# Altium PCB 191217 PCB.PcbDoc
Units mm, origin at the board's own origin, x right, y up, seen from the top; angles counter-clockwise.
Board outline 140.3 x 60.25 mm, 2 copper layers (Top Layer, Bottom Layer); 243 components, 168 nets, 727 pads, 0 vias.
Unrouted connection lines stored in the file: 477.
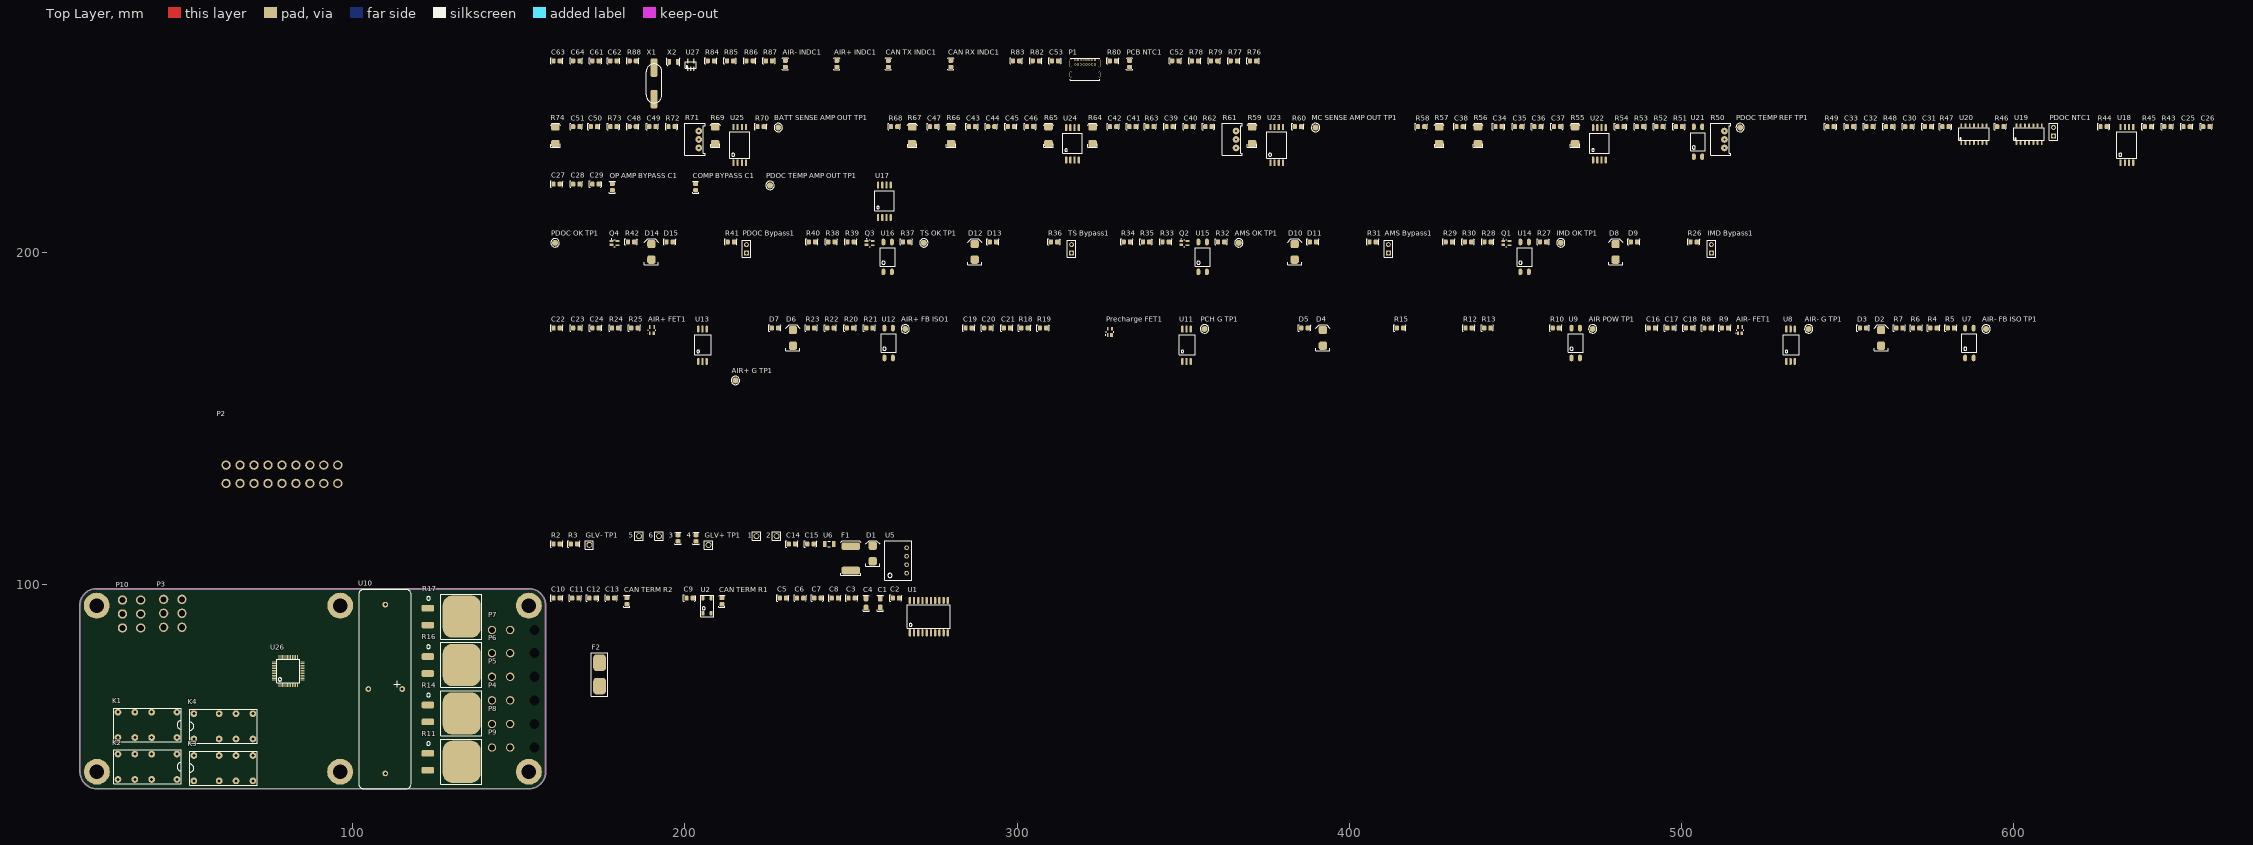
[diagram p0: Top Layer view]
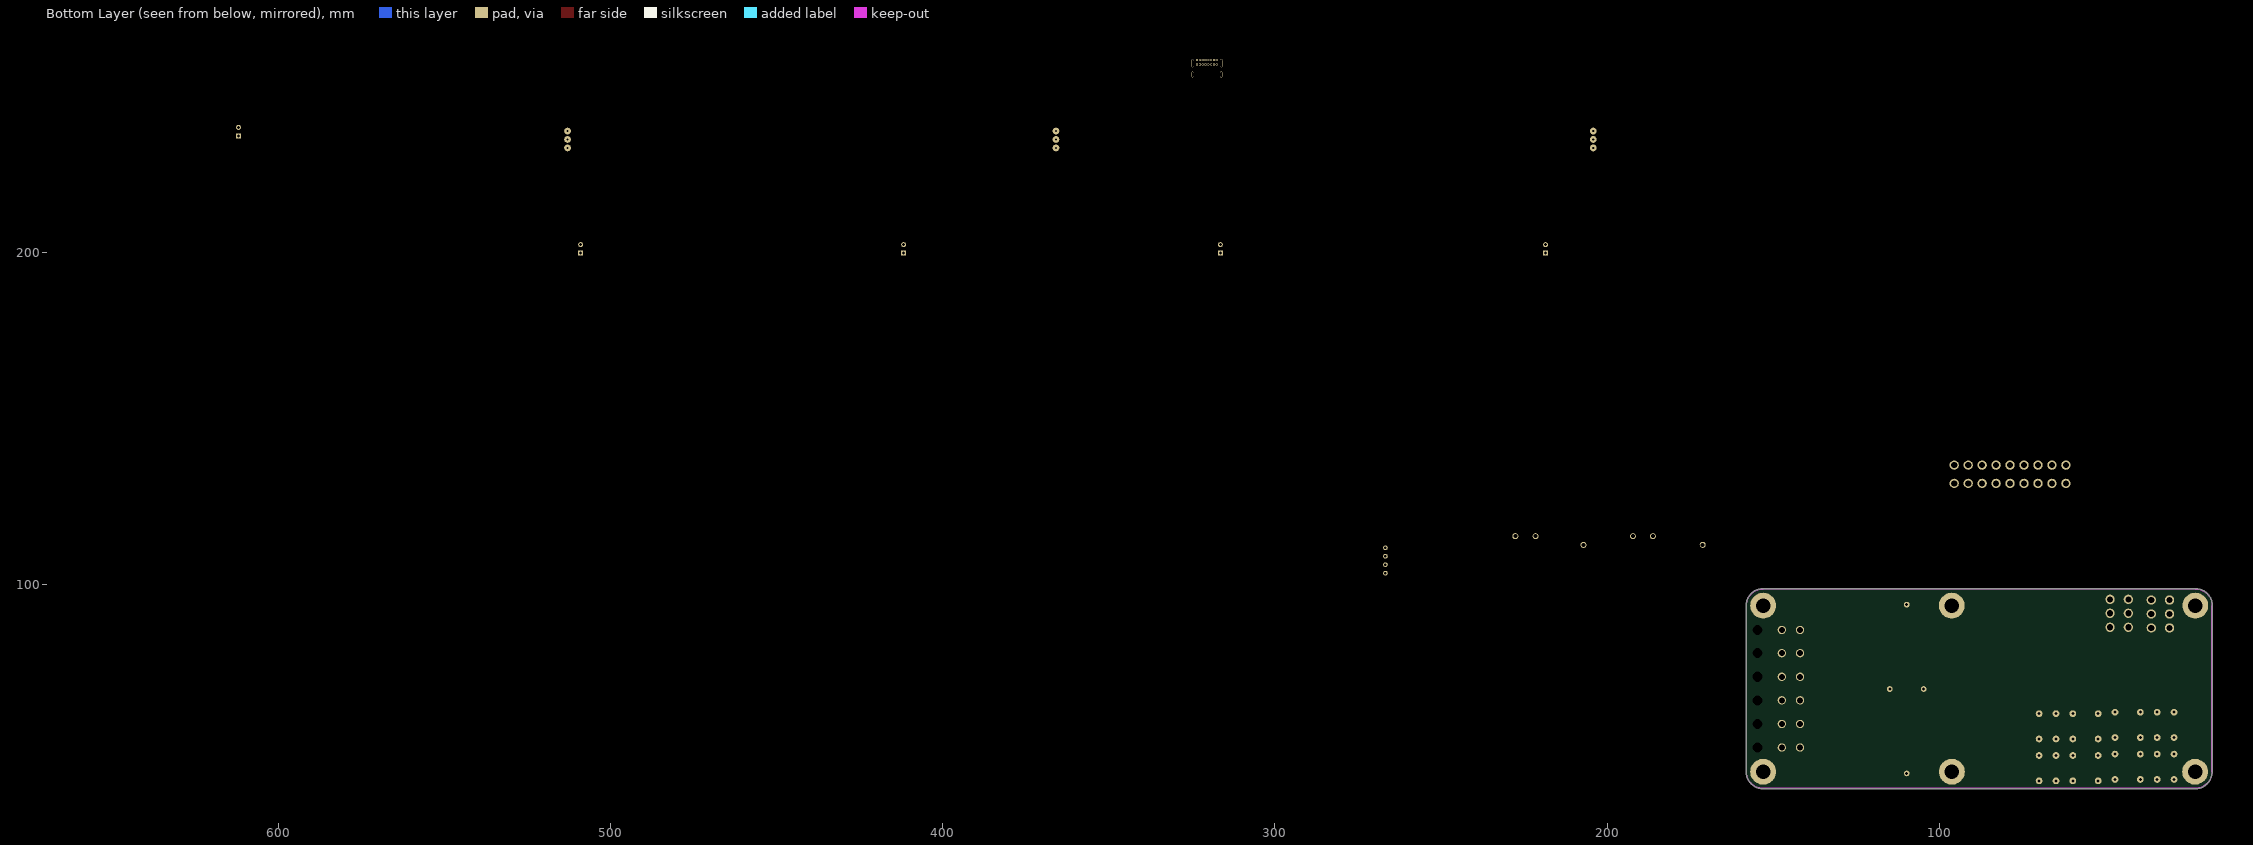
[diagram p1: Bottom Layer view, seen from below]

## Layer stack, top to bottom
Top Solder: solder mask 0.0102, Solder Resist, Dk 3.5
Top Layer: signal copper 0.0356
Dielectric 1: dielectric 0.32, FR-4, Dk 4.8
Bottom Layer: signal copper 0.0356
Bottom Solder: solder mask 0.0102, Solder Resist, Dk 3.5

## Board outline
17.873,43.71 17.873,93.611 cw(c17.953,93.71) 17.826,93.71 cw(c22.953,93.71) 22.953,98.837 153.001,98.837 cw(c153.001,93.71) 158.128,93.71 158.128,43.71 cw(c153.001,43.71) 153.001,38.583 23,38.583 cw(c23,43.71)

## Design rules (kind name [scope] priority, off if disabled: settings)
Clearance [All] p1: gap=0.254 ignorepadtopadclearanceinfootprint=FALSE except(0: Arc-Hole Track-Hole SMDPad-Hole THPad-Hole Via-Hole Fill-Hole Poly-Hole Region-Hole Text-Hole)
PolygonConnect [All] p1: connectstyle=Relief reliefconductorwidth=0.254 reliefentries=4 polygonreliefangle="90 Angle" airgapwidth=0.254
RoutingVias [All] p1: holewidth=0.711 width=1.27 viastyle="Through Hole" minholewidth=0.711 minwidth=1.27 maxholewidth=0.711 maxwidth=1.27
SolderMaskExpansion [All] p1: expansion=0.102
Width [All] p1: maxlimit=0.254 minlimit=0.254 preferedwidth=0.254
30 further rules are at their usual default settings.

## Classes and differential pairs
component class U_STM32: "AIR+ INDC1" "AIR- INDC1" BOOT1 C52 C53 C54 C55 C56 C57 C58 C59 C60 C61 C62 C63 C64 C65 "CAN RX INDC1" "CAN TX INDC1" D16 D17 FTDI1 P1 "PCB NTC1" R75 R76 R77 R78 R79 R80 R81 R82 R83 R84 R85 R86 R87 R88 RESET1 STLINK1 U26 U27 X1 X2
component class U_Sensors: "BATT SENSE AMP OUT TP1" C25 C26 C27 C28 C29 C30 C31 C32 C33 C34 C35 C36 C37 C38 C39 C40 C41 C42 C43 C44 C45 C46 C47 C48 C49 C50 C51 "COMP BYPASS C1" "MC SENSE AMP OUT TP1" "OP AMP BYPASS C1" "PDOC NTC1" "PDOC TEMP AMP OUT TP1" "PDOC TEMP REF TP1" R43 R44 R45 R46 R47 R48 R49 R50 R51 R52 R53 R54 R55 R56 R57 R58 R59 R60 R61 R62 R63 R64 R65 R66 R67 R68 R69 R70 R71 R72 R73 R74 U17 U18 U19 U20 U21 U22 U23 U24 U25
component class "U_Safety Loops": "AMS Bypass1" "AMS OK TP1" D8 D9 D10 D11 D12 D13 D14 D15 "IMD Bypass1" "IMD OK TP1" K1 K2 K3 K4 "PDOC Bypass1" "PDOC OK TP1" Q1 Q2 Q3 Q4 R26 R27 R28 R29 R30 R31 R32 R33 R34 R35 R36 R37 R38 R39 R40 R41 R42 "TS Bypass1" "TS OK TP1" U14 U15 U16
component class U_Precharge: "AIR POW TP1" "AIR+ FB ISO1" "AIR+ FET1" "AIR+ G TP1" "AIR- FB ISO TP1" "AIR- FET1" "AIR- G TP1" C16 C17 C18 C19 C20 C21 C22 C23 C24 D2 D3 D4 D5 D6 D7 "PCH G TP1" "Precharge FET1" R4 R5 R6 R7 R8 R9 R10 R11 R12 R13 R14 R15 R16 R17 R18 R19 R20 R21 R22 R23 R24 R25 U7 U8 U9 U10 U11 U12 U13
component class "U_Power Supply": 1 2 3 4 5 6 C14 C15 D1 F1 "GLV+ TP1" "GLV- TP1" R2 R3 U4 U5 U6
component class U_CAN: C1 C2 C3 C4 C5 C6 C7 C8 C9 C10 C11 C12 C13 "CAN TERM R1" "CAN TERM R2" R1 U1 U2 U3
component class "Top Level": F2 P2 P3 P4 P5 P6 P7 P8 P9 P10

## Components (designator, comment, footprint, x,y, rotation, side; value= is the part's Value field where it differs from the comment)
1 "0mm" "TH Test Point" 221.5,114.6 r90 top
2 "0mm" "TH Test Point" 227.6,114.6 r90 top
3 "Red" "0805 LED" 197.9,114 r90 top
4 "Red" "0805 LED" 203.3,114 r90 top
5 "0mm" "TH Test Point" 186.2,114.6 r90 top
6 "0mm" "TH Test Point" 192.2,114.6 r90 top
"AIR POW TP1" "0mm" "SMD Test Point" 473.199,177 r90 top
"AIR+ FB ISO1" "0mm" "SMD Test Point" 266.299,177 r90 top
"AIR+ FET1" "STD70N10F4" SOT-343_N 190.1,176.6 r90 top
"AIR+ G TP1" "0mm" "SMD Test Point" 215.2,161.5 r90 top
"AIR+ INDC1" "Yellow" "0805 LED" 245.7,256.799 r90 top
"AIR- FB ISO TP1" "0mm" "SMD Test Point" 591.599,177 r90 top
"AIR- FET1" "STD70N10F4" SOT-343_N 517.599,176.6 r90 top
"AIR- G TP1" "0mm" "SMD Test Point" 538.199,177 r90 top
"AIR- INDC1" "Yellow" "0805 LED" 230.2,256.799 r90 top
"AMS Bypass1" "2.54mm" "TH 2.54mm Header 1x2" 411.699,199.8 r90 top
"AMS OK TP1" "0mm" "SMD Test Point" 366.699,202.9 r90 top
"BATT SENSE AMP OUT TP1" "0mm" "SMD Test Point" 228.1,237.6 r90 top
C1 "10nF" 1206 258.799,95.7 r90 top
C2 "100nF" 0805 263.499,96 r0 top
C3 "100nF" 0805 250.199,96 r0 top
C4 "10nF" 1206 254.499,95.7 r90 top
C5 "10uF" 0805 229.5,96 r0 top
C6 "100nF" 0805 234.7,96 r0 top
C7 "10uF" 0805 239.9,96 r0 top
C8 "100nF" 0805 245.1,96 r0 top
C9 "22pF" 0805 201.4,96 r0 top
C10 "100pF" 0805 161.4,96 r0 top
C11 "100pF" 0805 167,96 r0 top
C12 "100pF" 0805 172.2,96 r0 top
C13 "100pF" 0805 177.8,96 r0 top
C14 "10uF" 0805 232.2,112.3 r0 top
C15 "22uF" 0805 237.8,112.3 r0 top
C16 "100nF" 0805 490.999,177.3 r0 top
C17 "100nF" 0805 496.599,177.3 r0 top
C18 "10uF" 0805 502.199,177.3 r0 top
C19 "100nF" 0805 285.399,177.3 r0 top
C20 "100nF" 0805 290.999,177.3 r0 top
C21 "10uF" 0805 296.899,177.3 r0 top
C22 "100nF" 0805 161.4,177.3 r0 top
C23 "100nF" 0805 167.3,177.3 r0 top
C24 "10uF" 0805 173.1,177.3 r0 top
C25 "10uF" 0805 651.999,237.9 r0 top
C26 "100nF" 0805 657.899,237.9 r0 top
C27 "10uF" 0805 161.4,220.6 r0 top
C28 "100nF" 0805 167.3,220.6 r0 top
C29 "100pF" 0805 173.1,220.6 r0 top
C30 "100nF" 0805 568.199,237.9 r0 top
C31 "100nF" 0805 574.099,237.9 r0 top
C32 "100pF" 0805 556.499,237.9 r0 top
C33 "100nF" 0805 550.699,237.9 r0 top
C34 "10uF" 0805 444.899,237.9 r0 top
C35 "100nF" 0805 450.799,237.9 r0 top
C36 "10uF" 0805 456.599,237.9 r0 top
C37 "100nF" 0805 462.499,237.9 r0 top
C38 "100pF" 0805 433.199,237.9 r0 top
C39 "100nF" 0805 345.899,237.9 r0 top
C40 "100nF" 0805 351.799,237.9 r0 top
C41 "100pF" 0805 334.699,237.9 r0 top
C42 "100nF" 0805 328.899,237.9 r0 top
C43 "10uF" 0805 286.399,237.9 r0 top
C44 "100nF" 0805 292.199,237.9 r0 top
C45 "10uF" 0805 298.099,237.9 r0 top
C46 "100nF" 0805 303.899,237.9 r0 top
C47 "100pF" 0805 274.699,237.9 r0 top
C48 "100nF" 0805 184.3,237.9 r0 top
C49 "100nF" 0805 190.2,237.9 r0 top
C50 "100pF" 0805 172.6,237.9 r0 top
C51 "100nF" 0805 167.3,237.9 r0 top
C52 "100nF" 0805 347.599,257.699 r0 top
C53 "100nF" 0805 311.399,257.699 r0 top
C61 "22pF" 0805 173.1,257.699 r0 top
C62 "22pF" 0805 178.5,257.699 r0 top
C63 "22pF" 0805 161.4,257.699 r0 top
C64 "22pF" 0805 167.3,257.699 r0 top
"CAN RX INDC1" "Blue" "0805 LED" 279.999,256.799 r90 top
"CAN TERM R1" "56R" 0805 211.1,95.1 r90 top
"CAN TERM R2" "56R" 0805 182.5,95.1 r90 top
"CAN TX INDC1" "Blue" "0805 LED" 261.199,256.799 r90 top
"COMP BYPASS C1" "100nF" 0805 203.2,219.7 r90 top
D1 "SD560BTR" "SMB Diode" 256.499,107.3 r90 top
D2 "SD560BTR" "SMB Diode" 559.999,172.2 r90 top
D3 "Orange" "0805 LED" 554.599,177.3 r0 top
D4 "SD560BTR" "SMB Diode" 391.999,172.2 r90 top
D5 "Orange" "0805 LED" 386.499,177.3 r0 top
D6 "SD560BTR" "SMB Diode" 232.5,172.2 r90 top
D7 "Orange" "0805 LED" 227.1,177.3 r0 top
D8 "SD560BTR" "SMB Diode" 480.099,198.1 r90 top
D9 "Green" "0805 LED" 485.599,203.2 r0 top
D10 "SD560BTR" "SMB Diode" 383.499,198.1 r90 top
D11 "Green" "0805 LED" 388.999,203.2 r0 top
D12 "SD560BTR" "SMB Diode" 287.199,198.1 r90 top
D13 "Green" "0805 LED" 292.699,203.2 r0 top
D14 "SD560BTR" "SMB Diode" 189.9,198.1 r90 top
D15 "Green" "0805 LED" 195.4,203.2 r0 top
F1 "0ZCF0200AF2C" 2920 249.9,104.3 r90 top
F2 "0154.750DR" "Omni BLOK 0154" 174.3,73 r90 top
"GLV+ TP1" "0mm" "TH Test Point" 207.1,112 r90 top
"GLV- TP1" "0mm" "TH Test Point" 171.2,112 r90 top
"IMD Bypass1" "2.54mm" "TH 2.54mm Header 1x2" 508.899,199.8 r90 top
"IMD OK TP1" "0mm" "SMD Test Point" 463.599,202.9 r90 top
K1 "V23105A5475A201" "TI 2-DIL" 38.23,57.81 r180 top
K2 "V23105A5475A201" "TI 2-DIL" 38.23,45.21 r180 top
K3 "V23105A5475A201" "TI 2-DIL" 61.07,44.79 r0 top
K4 "V23105A5475A201" "TI 2-DIL" 61.07,57.39 r0 top
"MC SENSE AMP OUT TP1" "0mm" "SMD Test Point" 389.799,237.6 r90 top
"OP AMP BYPASS C1" "100nF" 0805 178.1,219.7 r90 top
P1 "USB4085-GF-A" USB4085-GF-A 320.299,253.899 r0 top
P2 "Mini-Fit RA 9x2" 39301182 78.7,133.25 r180 top
P3 "39281063" 39281063 48.6,91.4 r270 top
P4 "39301022" 39301022 141.9,65.2 r90 top
P5 "39301022" 39301022 141.9,72.3 r90 top
P6 "39301022" 39301022 141.9,79.4 r90 top
P7 "39301022" 39301022 141.9,86.4 r90 top
P8 "39301022" 39301022 141.9,58.1 r90 top
P9 "39301022" 39301022 141.9,51 r90 top
P10 "39281063" 39281063 36.2,91.2 r270 top
"PCB NTC1" "10K (NTC) (B25/85 3430K)" 0805 333.799,256.799 r90 top
"PCH G TP1" "0mm" "SMD Test Point" 356.399,177 r90 top
"PDOC Bypass1" "2.54mm" "TH 2.54mm Header 1x2" 218.5,199.8 r90 top
"PDOC NTC1" "2.54mm" "TH 2.54mm Header 1x2" 611.899,235.1 r90 top
"PDOC OK TP1" "0mm" "SMD Test Point" 160.9,202.9 r90 top
"PDOC TEMP AMP OUT TP1" "0mm" "SMD Test Point" 225.6,220.2 r90 top
"PDOC TEMP REF TP1" "0mm" "SMD Test Point" 517.599,237.6 r90 top
"Precharge FET1" "STD70N10F4" SOT-343_N 327.899,176.1 r90 top
Q1 "2N7002K" SOT-343_N 447.199,202.8 r0 top
Q2 "2N7002K" SOT-343_N 350.299,202.8 r0 top
Q3 "2N7002K" SOT-343_N 255.599,202.8 r0 top
Q4 "2N7002K" SOT-343_N 178.8,202.8 r0 top
R2 "1.5k" 0805 161.4,112.3 r0 top
R3 "1.5k" 0805 166.6,112.3 r0 top
R4 "680R" 0805 575.799,177.3 r0 top
R5 "1.5k" 0805 580.999,177.3 r0 top
R6 "1.5k" 0805 570.599,177.3 r0 top
R7 "20k" 0805 565.499,177.3 r0 top
R8 "20k" 0805 507.799,177.3 r0 top
R9 "20k" 0805 512.999,177.3 r0 top
R10 "680R" 0805 462.099,177.3 r0 top
R11 "1k" "B TO-263" 132.8,46.7 r270 top
R12 "20k" 0805 435.899,177.3 r0 top
R13 "1.5k" 0805 441.499,177.3 r0 top
R14 "1k" "B TO-263" 132.8,61.267 r270 top
R15 "1.5k" 0805 415.199,177.3 r0 top
R16 "1k" "B TO-263" 132.8,75.833 r270 top
R17 "1k" "B TO-263" 132.8,90.4 r270 top
R18 "20k" 0805 302.199,177.3 r0 top
R19 "20k" 0805 307.799,177.3 r0 top
R20 "680R" 0805 249.7,177.3 r0 top
R21 "1.5k" 0805 255.499,177.3 r0 top
R22 "1.5k" 0805 243.8,177.3 r0 top
R23 "20k" 0805 238,177.3 r0 top
R24 "20k" 0805 179,177.3 r0 top
R25 "20k" 0805 184.8,177.3 r0 top
R26 "1.5k" 0805 503.599,203.2 r0 top
R27 "680R" 0805 458.299,203.2 r0 top
R28 "680R" 0805 441.599,203.2 r0 top
R29 "20k" 0805 429.899,203.2 r0 top
R30 "1.5k" 0805 435.699,203.2 r0 top
R31 "1.5k" 0805 406.999,203.2 r0 top
R32 "680R" 0805 361.399,203.2 r0 top
R33 "680R" 0805 344.699,203.2 r0 top
R34 "20k" 0805 332.999,203.2 r0 top
R35 "1.5k" 0805 338.799,203.2 r0 top
R36 "1.5k" 0805 311.099,203.2 r0 top
R37 "680R" 0805 266.599,203.2 r0 top
R38 "680R" 0805 244.1,203.2 r0 top
R39 "680R" 0805 249.9,203.2 r0 top
R40 "20k" 0805 238.2,203.2 r0 top
R41 "1.5k" 0805 213.8,203.2 r0 top
R42 "680R" 0805 183.8,203.2 r0 top
R43 "10k" 0805 646.199,237.9 r0 top
R44 "2k" 0805 626.999,237.9 r0 top
R45 "10k" 0805 640.299,237.9 r0 top
R46 "3k" 0805 595.899,237.9 r0 top
R47 "10k" 0805 579.399,237.9 r0 top
R48 "10k" 0805 562.399,237.9 r0 top
R49 "10k" 0805 544.799,237.9 r0 top
R50 "10K (Var)" "B 3296" 512.299,234.1 r90 top
R51 "1.5k" 0805 499.199,237.9 r0 top
R52 "680R" 0805 493.299,237.9 r0 top
R53 "2.2k" 0805 487.499,237.9 r0 top
R54 "10k" 0805 481.599,237.9 r0 top
R55 "330K" "VB 0207" 467.899,232.8 r90 top
R56 "330K" "VB 0207" 438.699,232.8 r90 top
R57 "330K" "VB 0207" 426.999,232.8 r90 top
R58 "10k" 0805 421.599,237.9 r0 top
R59 "330K" "VB 0207" 370.699,232.8 r90 top
R60 "10k" 0805 384.499,237.9 r0 top
R61 "10K (Var)" "B 3296" 365.299,234.1 r90 top
R62 "10k" 0805 357.599,237.9 r0 top
R63 "10k" 0805 340.099,237.9 r0 top
R64 "10K" "VB 0207" 322.699,232.8 r90 top
R65 "330K" "VB 0207" 309.399,232.8 r90 top
R66 "330K" "VB 0207" 280.099,232.8 r90 top
R67 "330K" "VB 0207" 268.399,232.8 r90 top
R68 "10k" 0805 262.999,237.9 r0 top
R69 "330K" "VB 0207" 209.1,232.8 r90 top
R70 "10k" 0805 222.8,237.9 r0 top
R71 "10K (Var)" "B 3296" 203.6,234.1 r90 top
R72 "10k" 0805 196,237.9 r0 top
R73 "10k" 0805 178.5,237.9 r0 top
R74 "10K" "VB 0207" 161,232.8 r90 top
R76 "10k" 0805 370.999,257.699 r0 top
R77 "10k" 0805 365.199,257.699 r0 top
R78 "510R" 0805 353.499,257.699 r0 top
R79 "510R" 0805 359.299,257.699 r0 top
R80 "10k" 0805 328.799,257.699 r0 top
R82 "5.1k" 0805 305.599,257.699 r0 top
R83 "5.1k" 0805 299.699,257.699 r0 top
R84 "680R" 0805 207.8,257.699 r0 top
R85 "680R" 0805 213.6,257.699 r0 top
R86 "680R" 0805 219.5,257.699 r0 top
R87 "680R" 0805 225.3,257.699 r0 top
R88 "10M" 0805 184.3,257.699 r0 top
"TS Bypass1" "2.54mm" "TH 2.54mm Header 1x2" 316.399,199.8 r90 top
"TS OK TP1" "0mm" "SMD Test Point" 271.899,202.9 r90 top
U1 "ADM3053" "AD SOIC-W 20" 273.399,90.4 r0 top
U2 "B82787C0104H002" "TDK 4-PC Pad" 205.4,91.4 r90 top
U5 "RI-0505S/P" "RECOM 4-SIP" 266.699,107.3 r90 top
U6 "744272121" INDC3216 243.4,112.3 r0 top
U7 "LTV-817S-TA1" "ON 4-SMD" 586.599,173 r90 top
U8 "ADUM4120" "AD 6-SOIC" 531.499,167.2 r0 top
U9 "LTV-817S-TA1" "ON 4-SMD" 468.099,173 r90 top
U10 "DAT70510" "C3 SPST" 109.833,68.57 r90 top
U11 "ADUM4120" "AD 6-SOIC" 349.699,167.2 r0 top
U12 "LTV-817S-TA1" "ON 4-SMD" 261.299,173 r90 top
U13 "ADUM4120" "AD 6-SOIC" 204,167.2 r0 top
U14 "LTV-817S-TA1" "ON 4-SMD" 452.699,198.9 r90 top
U15 "LTV-817S-TA1" "ON 4-SMD" 355.799,198.9 r90 top
U16 "LTV-817S-TA1" "ON 4-SMD" 260.999,198.9 r90 top
U17 "ADUM6028" "AD 8-SOIC-W" 259.999,215.4 r0 top
U18 "ACPL-C870" "BROAD 8-SOIC" 633.999,232.4 r0 top
U19 "LM324D" "TI 14-SOIC" 619.799,230.4 r0 top
U20 "LMV339IDR" "TI 14-SOIC" 603.199,230.4 r0 top
U21 "LTV-817S-TA1" "ON 4-SMD" 504.899,233.6 r90 top
U22 "ADUM6028" "AD 8-SOIC-W" 475.199,232.7 r0 top
U23 "ACPL-C870" "BROAD 8-SOIC" 378.099,232.4 r0 top
U24 "ADUM6028" "AD 8-SOIC-W" 316.599,232.7 r0 top
U25 "ACPL-C870" "BROAD 8-SOIC" 216.5,232.4 r0 top
U26 "STM32F103C8T6" "STM 48-LQFP" 80.6,74 r0 top
U27 "RT9193-33GB" "RICHTEK SOT-23-5" 201.8,256.299 r0 top
X1 "8MHz" "Abracon HC-49/US" 190.7,250.899 r90 top
X2 "32.768kHz" "EPSON 2-SMD" 196.5,257.399 r0 top

## Footprints (in the part's own frame and the unit in brackets; to place one, negate y for a bottom-side part, rotate by r counter-clockwise, add the part's x,y. Pads: shape width x height; smd on the part's side, far side on the other; paste and mask are expansions set on the pad)
0805 [mm]
  rrect50% 1.3x1.5 smd: 1(-0.962,-0.026) 2(0.938,-0.026)
  silkscreen extent -1.85,-0.95 1.8,0.93, body extent -1,-0.65 1,0.66, height 0.73
"0805 LED" [mm]
  rrect50% 1.3x1.5 smd: A(-0.962,-0.026) K(0.938,-0.026)
  silkscreen extent -1.85,-0.95 1.8,0.93, body extent -1.1,-0.62 0.9,0.62, height 1
1206 [mm]
  rrect50% 1.8x1.4 smd: 1(-2.6,0) 2(0.2,0)
  silkscreen extent -3.7,-0.9 1.2,0.9, body extent -2.9,-0.9 0.5,0.9, height 1.85
2920 [mm]
  rrect50% 2.3x5.6 smd: 1(0,0) 2(7.3,0)
  silkscreen extent -1.4,-3 9,3, body extent -0.34,-2.81 7.64,2.81, height 1.14
39281063 [mm]
  round 2.8 hole 1.85: 1(4.2,-5.5) 2(0,-5.5) 3(-4.2,-5.5) 4(4.2,0) 5(0,0) 6(-4.2,0)
  body extent -7.27,-7.8 7.33,3.2, height 12.8
39301022 [mm]
  round 2.5 hole 1.8: 1(0,-5.5) 2(0,0)
  round 1.524 hole 3.05: ""(0,-12.8)
  body extent -2.7,-19.47 3.1,0.47, height 11.4
39301182 [mm]
  round 2.8 hole 1.85: 1(16.8,-2.75) 2(12.6,-2.75) 3(8.4,-2.75) 4(4.2,-2.75) 5(0,-2.75) 6(-4.2,-2.75) 7(-8.4,-2.75) 8(-12.6,-2.75) 9(-16.8,-2.75) 10(16.8,2.75) 11(12.6,2.75) 12(8.4,2.75) 13(4.2,2.75) 14(0,2.75) 15(-4.2,2.75) 16(-8.4,2.75) 17(-12.6,2.75) 18(-16.8,2.75)
  round 0 hole 3.05 unplated: PEG(-16.8,-10.05) PEG(16.8,-10.05)
  body extent -19.5,-16.65 19.9,3.29, height 12.4
"Abracon HC-49/US" [mm]
  rrect50% 5.6x2.1 smd: 1(-4.75,0) 2(4.75,0)
  silkscreen extent -5.85,-2.35 5.85,2.35, body extent -6.35,-2.35 6.35,2.35, height 4.06
"AD 6-SOIC" [mm]
  oval 0.7x2.159 smd: 1(0,0) 2(1.27,0) 3(2.54,0) 4(2.54,9.76) 5(1.27,9.76) 6(0,9.76)
  silkscreen extent -1,2 3.9,8, body extent -1.13,-0.43 3.65,10.13, height 2.85
"AD 8-SOIC-W" [mm]
  oval 0.7x2.159 smd: 1(-1.873,-4.887) 2(-0.603,-4.887) 3(0.667,-4.887) 3(1.937,-4.887) 3(1.937,4.873) 4(0.667,4.873) 5(-0.603,4.873) 6(-1.873,4.873)
  silkscreen extent -2.87,-2.89 3.05,3.11, body extent -2.92,-5.75 2.92,5.75, height 3.68
"AD SOIC-W 20" [mil]
  rrect50% 28x85 smd: 1(-225,-192.02)
  oval 28x85 smd: 2(-175,-192.02) 3(-125,-192.02) 4(-75,-192.02) 5(-25,-192.02) 6(25,-192.02) 7(75,-192.02) 8(125,-192.02) 9(175,-192.02) 10(225,-192.02) 11(225,192.02) 12(175,191.98) 13(125,191.98) 14(75,191.98) 15(25,191.98) 16(-25,191.98) 17(-75,191.98) 18(-125,191.98) 19(-175,191.98) 20(-225,191.98)
  silkscreen extent -257,-138 256,138, body extent -260,-210 260,210, height 105
"B 3296" [mil]
  round 80 hole 25.2: 1(-103.39,-22) 2(-3.39,-22) 3(96.61,-22)
  silkscreen extent -193,-97 187,143, body extent -191,-97 184,143, height 455
"B TO-263" [mm]
  rrect50% 2x3.8 smd: 1(-2.55,-10.2) 2(2.55,-10.2)
  rrect50% 12.7x11.4 smd: ""(0,0)
  silkscreen extent -6.8,-10.56 6.75,6.1, body extent -5.19,-11.02 5.45,4.83, height 4.8
"BROAD 8-SOIC" [mm]
  rrect50% 0.64x1.905 smd: 1(-1.905,-5.372) 2(-0.635,-5.372) 3(0.635,-5.372) 4(1.905,-5.372) 5(1.905,5.372) 6(0.635,5.372) 7(-0.635,5.372) 8(-1.905,5.372)
  silkscreen extent -3,-4 3,4, body extent -2.92,-5.75 2.92,5.75, height 3.68
"C3 SPST" [mm]
  round 1.7 hole 0.9: 1(-25.37,0.033) 3(0.03,5.133)
  round 1.75 hole 0.9: 2(25.43,0.033) 4(0.03,-5.067)